# Altium PCB Main.PcbDoc (continued)
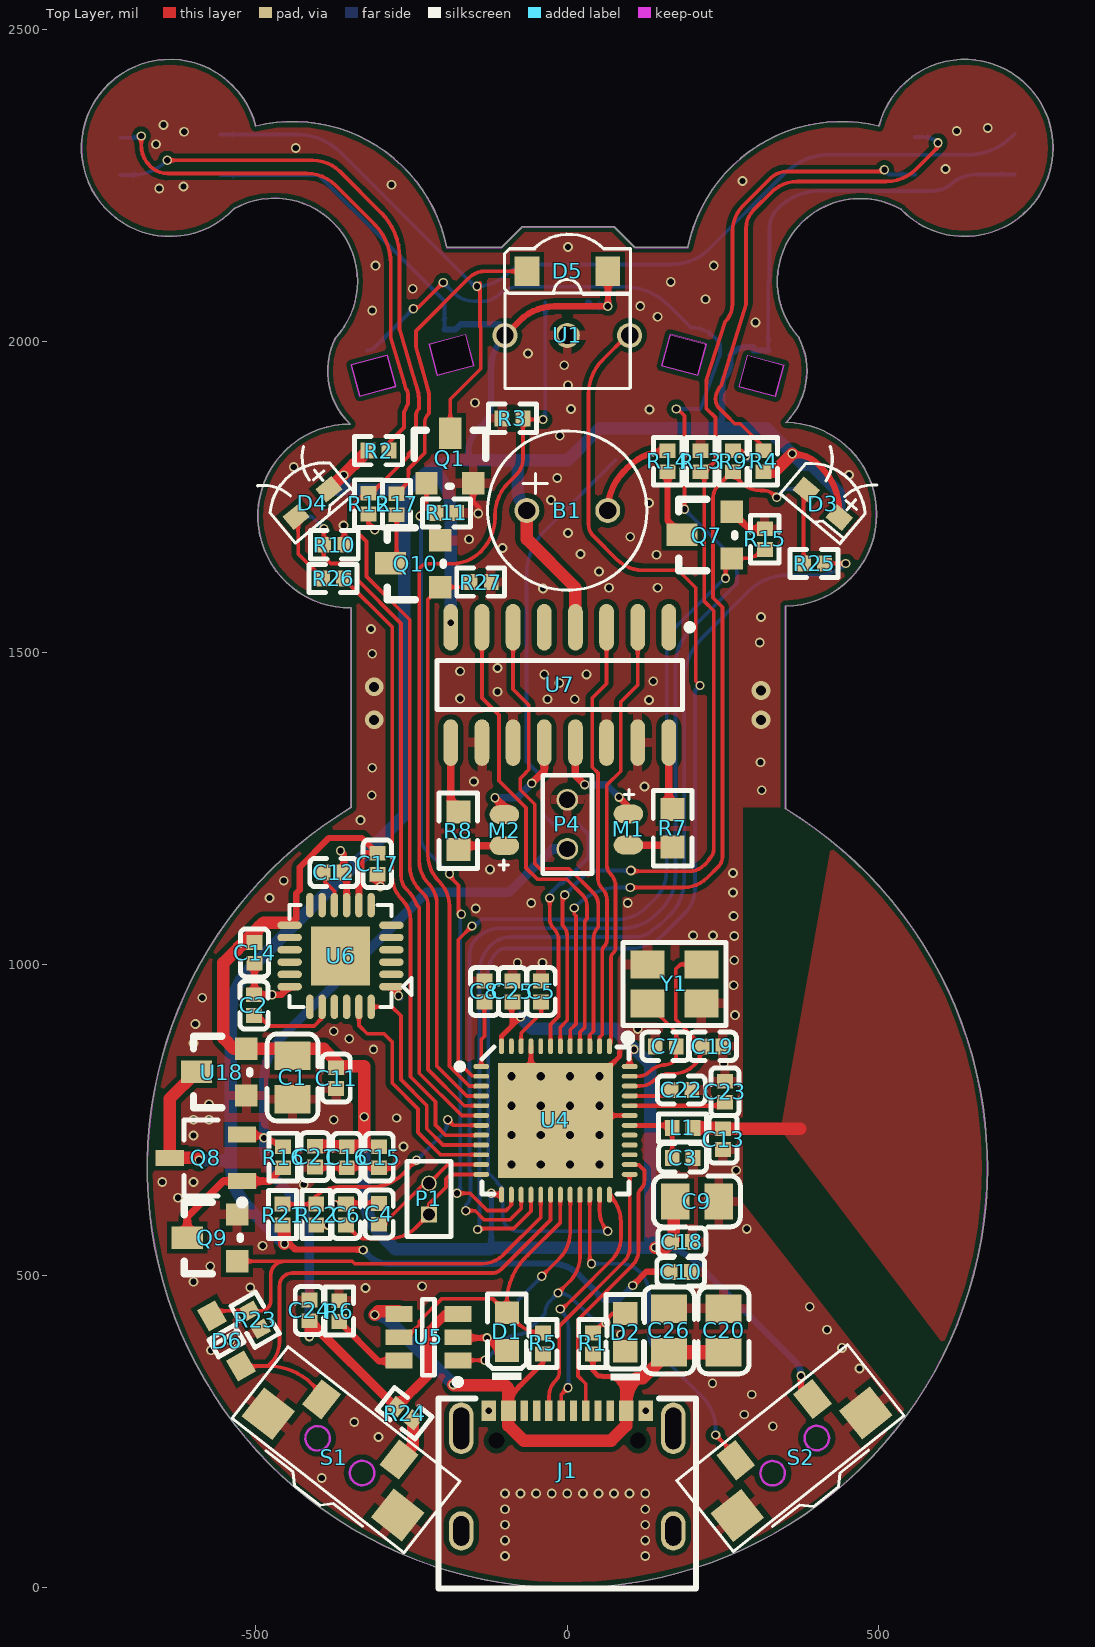
[diagram p0: Top Layer view]
## Part data
B1: "最小蜂鸣器6MM 6038 6035电磁式蜂鸣器 6*3.5 6*3.8MM 无源 交流"
C1 C9 C20 C26: library part "0805 22uF (226) 20% 25V", "贴片电容"
C2: library part "0402 2.2nF (222) 10% 50V", "贴片电容"
C3 C13: library part "0402 1pF (1R0) 0.25pF 50V", "贴片电容"
C4 C6: library part "0402 1nF (102) 10% 50V", "贴片电容"
C5 C10 C14 C15 C16 C17 C18 C24: library part "0402 1.0uF (105) 10% 25V", "贴片电容"
C7 C19: library part "0402 12pF (120) 5% 50V", "贴片电容"
C8 C12 C21 C25: library part "0402 100nF (104) 10% 16V", "贴片电容"
C11: library part "0402 4.7uF (475) 20% 10V", "贴片电容"
C22 C23: library part "0402 100pF (101) 5% 50V", "贴片电容"
D1: library part "0603 黄灯", "发光二极管"
D2: library part "0603 红灯", "发光二极管"
D3 D4: library part LED2, "Typical RED, GREEN, YELLOW, AMBER GaAs LED"
D5: library part LED2, "侧贴红外发射管"
D6: library part "SOD-323 1N4148WS T4", "二极管"
L1: library part "0402 3.9nH 3%", "贴片电感"
M1 M2 P1: "Header, 2-Pin"
P3 P6 P7 P8 P9 P10 P11 P12: library part Plug, "Plug"
P4: library part "Header 2", "2.0dip连接器"
Q1 Q7 Q8 Q9 Q10: "MOS(场效应管)"
Q4 Q5 Q6: library part "Photo NPN", "光线传感器"
R1 R5 R6: library part "0402 2KΩ (2001) 1%", "贴片电阻"
R2 R4 R17 R24: library part "0402 470Ω (4700) 1%", "贴片电阻"
R3 R9 R10 R12 R13: library part "0402 47KΩ (4702) 1%", "贴片电阻"
R7 R8: library part "0603 10Ω (10R0) 1%", "贴片电阻"
R11 R15 R21 R22 R23 R27: library part "0402 100KΩ (1003) 1%", "贴片电阻"
R14: library part "0402 10Ω (10R0) 1%", "贴片电阻"
R16: library part "0402 10KΩ (1002) 1%", "贴片电阻"
R25 R26: library part "0402 1KΩ (1001) 1%", "贴片电阻"
S1 S2: "3x6x3.5H 3*6*3.5贴片 侧位 按钮"
U1: library part RF, "1838 接收头 VS1838 VS1838B"
U2 U15: "全彩REG灯珠PCB附件"
U3 U9: library part Optoisolator1, "反射式光学传感器"
U4: "Multi-protocol Bluetooth Low Energy and 2.4GHz proprietary system-on-chip"
U5: "电池电源管理"
U6: library part MPU06050_QFN24, "三轴陀螺仪加速度"
U7: library part FM1208S
U8 U14: "WS2812全彩RGB灯珠"
U18: library part AP2121-3, "3V LDO"
Y1: library part "SMD-3225_4P  16MHZ 9PF 10PPM", "贴片晶振"

## Via types
v1: diameter 15.75, hole 10, Top Layer to Bottom Layer, 131 vias
v2: diameter 15, hole 10, Top Layer to Bottom Layer, 82 vias
v3: diameter 25.98, hole 12.99, Top Layer to Bottom Layer, 16 vias
v4: diameter 30, hole 16, Top Layer to Bottom Layer, 4 vias
v5: diameter 16, hole 10, Top Layer to Bottom Layer, 1 vias

## Nets (pads, with @x,y where several pads share a name; then routed paths per layer and width w, separated by ;. In a path a pad name is that pad's centre, name@x,y a point inside that pad or via, vN(x,y) a via of type N, cw(c..) or ccw(c..) an arc to the next point about the centre after c; other vN are vias at no path point)
3V7: C24.2 P4.1 Q8.2 R16.2 R24.2 U5.3 | length 1599.1
  Top Layer w10: Q8.2 -511.31,726.4 cw(c-511.31,652.42) R16.2@-459.03,704.77 ; U5.3@-163.88,437.4 U5.3@-163,438.28
  Top Layer w15: v2(-414,402) C24.2 -276.03,289.3 R24.2 -222.96,340.52 -222.96,409.46 -212.87,419.55 -212.87,420.22 -194.69,438.4 U5.3 ; U5.3@-175.72,437.4 U5.3@-163.88,437.4
  Bottom Layer w15: v2(-414,402) -414,560.69 ccw(c-511.31,560.69) -442.5,629.5 -461.54,648.54 cw(c-400.09,710) -487,710 v2(-487,721) -487,812.58 cw(c-387,812.58) -457.71,883.29 -226,1115 -94,1115 -24.12,1184.88 P4.1
5V: C20.2 C26.2 J1.A4 J1.B4 R1.2 R5.2 U5.4 | length 996.1
  Top Layer w8: -94.49,304.51 -39,360 R5.2 ; R1.2 41,347.8 49.9,338.9 cw(c49.9,307.04) 52.18,338.82 cw(c49.9,307.04) 57.43,338 74.98,338 94.49,318.49
  Top Layer w20: v2(-309,437) -303.16,442.84 U5.4@-270.21,442.84 ; v2(-183,325) -182,324 -100,324 -94.49,318.49 -94.49,304.51 J1.A4 -94.49,259.31 -70.18,235 70.18,235 94.49,259.31 J1.B4 94.49,318.49 111,335 121.04,335 C26.2
  Top Layer w24: C26.2 C20.2
  Bottom Layer w20: v2(-309,437) cw(c-309,403.2) -285.11,427.11 v2(-183,325)
+3V: C1.2 C9.2 C11.2 C14.2 C15.2 C16.2 C17.2 C18.2 C21.2 C25.2 S2.1 U4.13 U4.36 U4.48 U6.8 U6.13 U18.2 | length 2938.6
  Top Layer w8: v2(-122,632) -122.81,632 -124.91,629.91 U4.13 ; U4.48 -105.61,884.39 v2(-75,915) ; -89.12,904.88 -89.12,938.15 C25.2 ; U4.36 100.09,856.09 v2(107,863)
  Top Layer w10: U6.13 -435,1072.91 -435,1113.42 -429.5,1118.92 -429.5,1155.5 -382.5,1202.5 -329.77,1202.5 C17.2 -322.14,1177.73 -330.8,1169.08 -330.8,1126.48 -334.47,1122.8 U6.8 ; v2(375,339) 375,320.15 S2.1
  Top Layer w20: U6.13@-445.69,1066.43 -487.57,1066.43 -552.07,1001.93 -552.07,881.07 -535,864 U18.2 -390.92,864 -362.92,836 -326,836 v2(-326,755) -326,710.73 -323,707.73 C21.2 ; v2(141,545) 158.27,545 C18.2 170.92,557.65 170.92,616.96 C9.2
  Bottom Layer w8: -122,544 v2(-122,632) ; v2(107,863) v2@108,864
  Bottom Layer w10: 133.47,544.53 150.19,544.53 cw(c150.19,464.19) 206.99,521.01 365.1,362.9 cw(c341.2,339) v2(375,339)
  Bottom Layer w20: v2(-326,755) -326,633.42 ccw(c-226,633.42) -296.71,562.71 -276,542 -124,542 -122,544 -121.47,544.53 133.47,544.53 ; v2(-75,915) -75,914.54 -56.46,896 76,896 108,864 133.47,838.53 133.47,559.51
+3V3: B1.1 C10.1 D3.2 D4.2 D5.1 Q4.1 Q5.1 Q6.1 Q8.3 R2.1 R4.1 R21.2 U1.3 U2.1 U3.3 U7.4 U7.8 U8.1 U9.3 U14.1 U15.1 U18.3 | length 6001.9
  Top Layer w10: -454,559 -437,542 -328.84,542 v2(-327.79,540.96) ; U1.3 -76.41,2032.59 cw(c-20.96,1977.14) -20.96,2055.56 ; -20.96,2056 v2(65,2056) 65.24,2056.24 D5.1 ; v2(105,484) 127,506 C10.1 ; v2(361,1819) cw(c361,1758.64) 403.68,1801.32 407.1,1797.9 cw(c336.39,1727.19) 436.39,1727.19 D3.2
  Top Layer w20: U18.3 -638.07,783.93 Q8.3 -595,689 v2(-591,685) ; R21.2 -454,578.27 -454,559 v2(-454,551) ; D4.2 -342.49,1802.27 -341.46,1802.27 R2.1 ; B1.1 -64.96,1681.96 13,1604 U7.4@13,1538.52 ; R4.1 332.27,1790.27 v2(361,1819)
  Bottom Layer w6: U3.3 -399.5,2266.5 -197.09,2064.09 U2.1@-197.09,2022.06 ; U15.1@322.66,1990.51 322.66,2094.66 324.62,2096.62 324.62,2180.7 cw(c370.3,2180.7) 337.98,2212.98 ; 338.03,2213.03 cw(c405.65,2145.35) 405.65,2241.02 495.6,2241.02 586.03,2241 ccw(c586.03,2288.72) 614.25,2250.24 ccw(c586.03,2288.72) 619.78,2254.98 ; 620.13,2255.33 619.78,2254.98 ; U9.3 656.96,2267.5 ccw(c656.96,2206.04) 619.78,2254.98
  Bottom Layer w10: v2(-327.79,540.96) -319.16,532.32 ccw(c-287,564.48) -287,519 -114.47,519 -113.97,519.5 -26.37,519.5 cw(c-26.37,454.63) 19.5,500.5 58.76,461.24 U8.1 82.24,461.24 v2(105,484) ; U2.1 -179.61,2018.39 -171,2027 -109,2027 ; -159,1808.79 -159,1821.49 cw(c-109.49,1821.49) -144.5,1856.5 -136.5,1864.5 ccw(c-170.34,1898.34) -122.48,1898.34 -122.48,1954.72 ; -122.44,1956.38 ccw(c-86.76,1954.72) -122.48,1954.72 ; U1.3 ccw(c-45.72,1954.72) -122.48,1954.72 ; Q5.1 39.45,2056 v2(65,2056) ; 234,1860 248.64,1874.64 248.64,1926.13 cw(c293.71,1926.13) 250.63,1939.38 ccw(c223.57,1966.44) 260.57,1956.68 ccw(c223.57,1966.44) 261.84,1966.44 261.84,1977.35 265.1,1980.61 cw(c289,1956.72) 289,1990.51 U15.1@299,1990.51 ; U15.1@299,1984.75 U15.1
  Bottom Layer w20: v2(-591,685) -544,685 -540,689 ; v2(-454,551) -510.71,607.71 cw(c-440,678.42) -540,678.42 -540,689 ; Q4.1 -382.47,1761 -358,1761 ; v2(-359,1785) -358,1784 -358,1761 ; -212.19,1790.18 cw(c-275.77,1728.23) -187,1728.23 v2(-187,1548) ; B1.1 cw(c-29.52,1763.44) -79.51,1759.87 cw(c-29.52,1763.44) -79.64,1763.44 U14.1 ; Q6.1 436.39,1756.64 391.23,1801.8 378.2,1801.8 v2(361,1819) 320,1860 234,1860 52,1860 0.79,1808.79 U14.1 ; -540,689 -540,919.58 cw(c-440,919.58) -510.71,990.29 -261.5,1239.5 -261.5,1754.96 ; -358,1761 -264,1761 cw(c-270.04,1754.96) -261.5,1754.96 ; -261.5,1754.96 -236.96,1779.5 cw(c-166.25,1708.79) -166.25,1808.79 -159,1808.79 U14.1
AD0: R21.1 R22.2 U4.7 | length 376.5
  Top Layer w6: R21.1 R22.2 ; -404,626.73 cw(c-367.14,589.87) -403,627.71 cw(c-367.14,589.87) -367.14,642 -315,642 ccw(c-315,714.43) -263.79,663.21 v2(-242,685) ; v2(-192,750) -183.13,741.13 U4.7
  Bottom Layer w6: v2(-242,685) -202.61,724.39 ccw(c-228.21,750) v2(-192,750)
AD1: R12.2 U3.4 U4.5 | length 2049
  Top Layer w6: v2(-642,2290) -408.46,2290 cw(c-408.46,2228.54) -365.03,2272.03 ; -365,2272 -298.49,2205.49 cw(c-369.2,2134.78) -269.2,2134.78 -269.2,2018 -248,1946.63 -243.51,1931.51 -238.9,1916 -238.9,1910.47 ; -238,1910.47 -238,1891.8 ccw(c-225.94,1879.74) -243,1879.74 -243,1831 -255,1819 -255,1815.11 -307.11,1763 -310,1763 -317.27,1755.73 R12.2 -325.7,1755.73 -342.8,1738.64 -342.8,1698.8 -322.46,1678.46 -322.46,1622.05 -253,1552.6 -253,1159.04 ccw(c-194.96,1159.04) -236,1118 -230.26,1112.26 cw(c-245.62,1096.9) -223.9,1096.9 -223.62,1096.62 -223.62,830.71 -165.53,772.62 U4.5
  Bottom Layer w6: U3.4 -698.73,2266.5 ccw(c-698.73,2346.73) v2(-642,2290)
AD2: R13.2 U4.42 U9.4 | length 1889
  Top Layer w6: U4.42 -11.13,898.53 0,909.66 0,1044.21 ccw(c-26.05,1044.21) -7.62,1062.62 ; -7.63,1062.63 -7.63,1107.37 v2(-4,1111) ; v5(102,1150) 103,1149 195.81,1149 ccw(c195.81,1183.26) 220.04,1159.04 222.27,1161.27 ccw(c191.54,1192) 229.5,1170.84 ccw(c216.22,1184.12) 235,1184.12 235,1567 220,1582 220,1789.57 237.8,1807.36 237.8,1877.2 223.13,1891.87 223.13,1931.34 223.29,1931.51 223.29,1936.91 253.61,2031.48 ccw(c226.12,2058.97) 265,2058.97 265,2175.96 cw(c323.04,2175.96) 281.97,2216.97 ; 282,2217 326.5,2261.5 cw(c351.85,2236.15) 351.85,2272 506,2272 v2(509,2275)
  Bottom Layer w6: v2(-4,1111) 23,1138 cw(c51.97,1109.03) 51.97,1150 v5(102,1150) ; v2(509,2275) 516.5,2267.5 U9.4
AD3: Q5.2 R3.2 U4.4 | length 1460.3
  Top Layer w6: -139.08,1661.92 cw(c-186,1708.89) -186,1642.5 -222.72,1642.5 ccw(c-222.72,1623.72) -236,1637 ccw(c-231.66,1632.66) -237.8,1632.66 -237.8,1165.93 ccw(c-185.07,1165.93) -222.36,1128.64 cw(c-253.1,1097.9) -210.06,1104.06 cw(c-253.1,1097.9) -209.62,1097.9 -209.62,836.51 -161.48,788.37 U4.4 ; -139.05,1661.95 -138.63,1662.37 ccw(c-193.26,1717) -138.55,1662.45 ccw(c-193.26,1717) -116,1717 -116,1721 cw(c-43.57,1721) -114.78,1734.22 cw(c-43.57,1721) -94.79,1772.21 -82,1785 ccw(c-107.91,1810.91) -71.27,1810.91 R3.2 -69.27,1874 v2(-39,1874)
  Bottom Layer w6: v2(-39,1874) -35.45,1877.55 Q5.2
AD4: Q6.2 R9.2 U4.41 | length 1274.2
  Top Layer w6: U4.41 4.62,894.48 14,903.86 14,1077 11,1080 v2(11,1090) ; v2(101,1123) 187,1123 ccw(c187,1176.11) 200.56,1124.76 ccw(c187,1176.11) 224.56,1138.56 242.63,1156.63 ccw(c227.25,1172.01) 249,1172.01 249,1572.8 234,1587.8 234,1747.98 cw(c263.02,1747.98) 242.49,1768.49 264.27,1790.27 R9.2 266,1786 279,1773 ; 279.03,1772.97 ccw(c310.38,1804.38) 310.38,1760 315,1760 cw(c315,1735.86) 332.07,1752.93 v2(336,1749)
  Bottom Layer w6: v2(11,1090) 14.5,1093.5 16.42,1095.42 cw(c83,1028.85) 83,1123 v2(101,1123) ; v2(336,1749) 349.14,1762.14 Q6.2
AD5: Q4.2 R10.2 U4.6 | length 1137.1
  Top Layer w6: v2(-390.73,1698.73) R10.2 -390.73,1653.73 -379.8,1642.8 -342.9,1642.8 -336.46,1636.35 -336.46,1616.26 -267,1546.8 -267,1141.73 ccw(c-236.27,1141.73) -258,1120 -257.86,1119.86 cw(c-306.72,1071) -242,1095.2 -237.62,1090.82 -237.62,824.91 -169.58,756.87 U4.6
  Bottom Layer w6: Q4.2 -409.86,1717.86 v2(-390.73,1698.73)
ANT: C13.2 L1.2 | length 172.6
  Top Layer w19.68: L1.2 246.94,737 cw(c246.94,732.67) C13.2 374,735.73
BEEP: Q7.1 R15.2 U4.2 | length 1234.2
  Top Layer w6: v2(-152.87,1061.21) -175.2,1038.87 -175.2,842.74 -153.14,820.68 -138.91,820.68 U4.2 ; v2(254,1619) 254,1641 Q7.1 282.56,1651 ccw(c282.56,1699.71) R15.2
  Bottom Layer w6: v2(-152.87,1061.21) -148.1,1061.21 -137.2,1072.11 -17.61,1072.11 -17,1071.5 79.56,1071.5 ccw(c79.56,1139.44) 82.74,1071.57 ccw(c79.56,1139.44) 127.59,1091.39 140.38,1104.18 ccw(c94.22,1150.34) 159.5,1150.34 159.5,1500.34 cw(c222.66,1500.34) 178,1545 253,1620 v2(254,1619)
DEC1: C8.2 U4.1 | length 105.8
  Top Layer w6: U4.1 -138.09,878.91 -133,884 C8.2
DEC2: C23.1 U4.32 | length 155.2
  Top Layer w7: U4.32 247.35,772.62 C23.1
DEC3: C22.1 U4.33 | length 62.8
  Top Layer w6: U4.33 C22.1@162.9,788.37
DEC4: C5.2 U4.46 | length 84.5
  Top Layer w6: U4.46 -74.12,888.88 -42,921 C5.2
DISOFF: Q8.1 Q9.3 R16.1 | length 216
  Top Layer w12: Q9.3 -610,594 -552.4,651.6 Q8.1 -478.67,651.6 R16.1@-459,671.27
EYE1: R26.1 U4.8 | length 1015.6
  Top Layer w6: R26.1@-360.27,1619 -359,1619 -281,1541 -281,1141.92 ccw(c-225.65,1141.92) -264.79,1102.79 cw(c-296.58,1071) -255.22,1088.62 cw(c-296.58,1071) -251.62,1071 -251.62,819.11 -211.46,778.95 -211.46,741.46 -195.38,725.38 U4.8
EYE2: R25.1 U4.16 | length 1655.5
  Top Layer w6: v2(-144,574) cw(c-140.27,570.27) -140.27,575.54 -89,575.54 -88.83,575.72 -85.98,575.72 -58.37,603.32 U4.16 ; R25.1 v2(447,1643)
  Bottom Layer w6: v2(-144,574) -144,576 ccw(c-151.24,583.24) -141,583.24 -141,986.54 cw(c-79.54,986.54) -123,1030 cw(c-90.41,997.41) -90.41,1043.5 109.85,1043.5 ccw(c109.85,1081.6) 136.79,1054.66 ccw(c93,1128.93) 153.96,1067.96 164.52,1078.52 ccw(c109.04,1134) 187.5,1134 187.5,1453.28 cw(c287.5,1453.28) 216.79,1523.99 291.37,1598.57 cw(c353,1536.95) 353,1624.1 401.37,1624.1 ccw(c401.37,1688.63) v2(447,1643)
GND: C1.1 C2.2 C3.1 C4.2 C5.1 C6.1 C7.2 C8.1 C9.1 C10.2 C11.1 C12.1 C13.1 C14.1 C15.1 C16.1 C17.1 C18.1 C19.2 C20.1 C21.1 C22.2 C23.2 C24.1 C25.1 C26.1 D1.K D2.K J1.A1 J1.B1 P3.1 P4.2 P6.1 P7.1 P8.1 P9.1 P10.1 P11.1 P12.1 Q1.2 Q7.2 Q9.2 Q10.2 R3.1 R6.2 R9.1 R10.1 R11.1 R12.1 R13.1 R15.1 R22.1 R23.1 R27.1 S1.3 S1.4 S2.3 S2.4 U1.2 U2.3 U4.31 U4.45 U4.49 U5.2 U6.1 U6.9 U6.18 U7.10 U7.11 U7.14 U7.15 U8.3 U14.3 U15.3 U18.1 Y1.2 Y1.4 | length 1190.3
  Top Layer w7: U4.49@-11.13,756.87 U4.31
  Top Layer w8: v1(-359,1704) -357.8,1702.8 -357.8,1673.53 R10.1 ; R12.1 -319,1707 v2(-309,1697) ; Q1.2 -151,1742 -142,1733 ; U4.49@-58.37,826 U4.45 ; U4.49 -11.13,756.87 v3(51.87,819.87) 84,852 84,859 ; R9.1 279.06,1823.73 v2(286.7,1816.09)
  Top Layer w10: C14.1 -502,951.73 C2.2 v2(-474,950.73) -458.75,950.73 U6.18 ; v2@-424,645 v2(-423,646) ; C21.1 -303,674.27 C15.1 -281.73,673.27 -273,682 ; R22.1 -383.27,581.27 -383.54,581 v2(-384,581) ; v2@-376,892 v2(-375,892) ; v2(-374,614) -376.2,614 -375.47,614.73 C6.1 -303,614.73 C4.2 ; v2(-364,1182) -358.27,1176.27 C12.1@-358.27,1152 ; C12.1 C12.1@-358.27,1152 ; C12.1@-355.27,1147 -354.16,1145.89 U6.9 ; C12.1@-353.27,1147 C12.1@-358.27,1152 ; v2(-350,880) v2@-349,880 ; C17.1 -305,1133 -298,1126 v2(-300,1124) ; U6.1 -271,952.48 v2(-271,949) ; U5.2@-163.88,400 v2(-129,400) -108.69,379.69 D1.K ; U4.49@-58.37,826 -58.37,788.37 v3(-42.62,772.62) U4.49 ; v2@85.5,406.99 86,406.49 v2(86,405) ; Q7.2 291.27,1698.73 R15.1
  Bottom Layer w8: v2(286.7,1816.09) 290,1812.79 v2@290,1810
  Bottom Layer w10: v2@-474,949 v2(-474,950.73) ; v2(-423,646) v2@-418,646 ; v2(-384,581) v2@-382,581 ; v2@-379,614 v2(-374,614) ; v2@-365,1182 v2(-364,1182) ; v2(-300,1124) v2@-298,1124 ; v2(-271,949) v2@-267.62,945.62 ; v2(-80,1002) v2@-79,1002
  other v1: -100,50 125,50 -100,75 125,75 -100,100 125,100 -100,125 125,125 -100,150 -75,150 -50,150 -25,150 0,150 25,150 50,150 75,150 100,150 125,150 -394,175 -303,241 -342,265 469,351 -572,380 441,384 -541,396 417,413 389,450 -324,480 -509,481 -233,483 -600,490 -573,515 -489,548 288,575 -625,625 -650,650 -600,650 271,669 -263,707 -600,725 -600,750 -575,750 -375,750 -575,775 251,840 -600,873 113,896 -597,904 269,918 -586,946 267,966 -40,1002 268,1006 268,1045 202,1046 234,1046 267,1077 -147,1089 -58,1098 97,1098 -478,1106 266,1115 266,1146 -124,1152 -332,1231 -314,1271 312,1279 124,1285 -150,1293 -313,1315 310,1324 131,1424 -32,1425 12,1425 -172,1426 -112,1437 -13,1451 138,1454 -37,1465 31,1465 -172,1470 -112,1475 -313,1498 309,1516 -315,1538 311,1557 -39,1603 67,1604 145,1604 51,1630 143,1657 21,1658 -104,1668 -158,1682 101,1686 1,1692 -143,1723 131,1740 -26,1745 -16,1780 452,1785 -439,1798 -12,1848 132,1890 6,1891 -148,1901 1,1929 -5,1961 -63,1980 302,2030 145,2039 -313,2049 117,2056 222,2067 -248,2084 166,2095 -308,2121 235,2121 1,2151 -655,2245 -616,2248 -282,2251 281,2257 607,2276 -436,2310 -660,2316 -615,2336 625,2337 675,2342 -648,2347
  other v2: 330,258 284,277 -125.98,283 125.98,283 296,309 233,327 -274,753 -311,863 -455,1134
  other v3: -89.87,678.13 -42.62,678.13 4.62,678.13 51.87,678.13 -89.87,725.38 -42.62,725.38 4.62,725.38 51.87,725.38 -89.87,772.62 4.62,772.62 51.87,772.62 -89.87,819.87 -42.62,819.87 4.62,819.87
  other v4: -310,1392 311,1392 311,1439 -310,1445
IR: Q10.1 R27.2 U4.3 | length 909.7
  Top Layer w6: Q10.1@-204,1601 -208,1601 -223.8,1585.2 -223.8,1175.97 ccw(c-163.03,1175.97) -206,1133 cw(c-246.55,1092.45) -189.2,1092.45 -189.2,835.89 -157.43,804.12 U4.3 ; Q10.1 -170.65,1605 ccw(c-170.65,1627.65) R27.2@-154.64,1611.62 ; R27.2@-154.63,1611.63 R27.2@-148,1618.27
LEDB: Q1.1 R11.2 U4.14 | length 1318.8
  Top Layer w6: v2(-236,1719) -236,1724.27 -226,1734.27 ; Q1.1 -226,1734.27 ; R11.2@-211.73,1720 -226,1734.27 ; v2@-193.03,1145 -174.59,1126.56 -174.59,1084.59 v2(-170,1080) ; v2(-177,632) -156.04,632 -128.54,604.5 -98.21,604.5 -89.87,612.84 U4.14
  Bottom Layer w6: v2(-236,1719) -235,1718 -235,1204.44 ccw(c-202.56,1204.44) -225.52,1181.52 v2(-189,1145) ; v2(-177,632) -176,631 -172,631 -172,1079 -171,1080 v2(-170,1080)
NetB1_2: B1.2 R14.2 | length 149.6
  Top Layer w10: B1.2 cw(c154.19,1728) 91.1,1791.1 97.38,1797.38 cw(c161,1733.76) R14.2
NetC2_1: C2.1 U6.20 | length 139.6
  Top Layer w6: C2.1 -495.27,917.27 -478.62,900.62 -406.21,900.62 -393.53,913.3 U6.20
NetC3_2: C3.2 L1.1 U4.30 | length 117.9
  Top Layer w6: C3.2 L1.1
  Top Layer w8: U4.30 164.14,741.13 L1.1
NetC12_2: C12.2 U6.10 | length 58.5
  Top Layer w6: C12.2@-388.73,1147 -388.73,1131.73 -373.84,1116.84 U6.10
NetD3_2: D3.1 R25.2 | length 119.9
  Top Layer w6: R25.2 379.27,1756.8 D3.1
NetD4_2: D4.1 R26.2 | length 116.5
  Top Layer w6: D4.1 -431.73,1714.2 -431.73,1658 R26.2
NetD5_2: D5.2 R17.2 | length 501.6
  Top Layer w6: R17.2 -255.2,1773.53 -255.2,1786 -255,1786.2 -255,1794.56 -239.06,1810.5 -238.5,1810.5 -229,1820 -229,1867 cw(c-204.88,1867) -221.94,1884.05 -221.94,1915.74 -230.61,1946.92 -233.32,1956.64 -242.96,1991.29 -242.96,2016.21 -157.58,2101.58 ; -157.57,2101.59 cw(c-132.29,2076.29) -132.29,2112.06 D5.2
NetM1_1: M1.1 R7.2 | length 72.4
  Top Layer w12: M1.1 165.68,1191 R7.2
NetM1_2: M1.2 U7.13 | length 168.2
  Top Layer w10: v2(83,1268) 98,1253 M1.2
  Top Layer w12: U7.13@13,1353.48 13,1303 v2(28,1288)
  Bottom Layer w10: 63,1288 v2(83,1268)
  Bottom Layer w12: v2(28,1288) 63,1288
NetM2_1: M2.1 U7.12 | length 173.5
  Top Layer w12: v2(-116,1267) -101,1252 M2.1 ; v2(-57,1290) -37,1310 U7.12@-37,1353.48
  Bottom Layer w12: v2(-116,1267) -80,1267 v2(-57,1290)
NetM2_2: M2.2 R8.2 | length 76.6
  Top Layer w10: R8.2 R8.2@-166,1183.68
  Top Layer w12: R8.2@-166,1183.68 -159.68,1190 M2.2
NetQ1_3: Q1.3 U3.1 U9.1 | length 1728
  Top Layer w6: Q1.3 -188,1906.71 -139.08,1955.62 -139.08,2022.17 -140,2023.09 -140,2093 v2(-145,2088)
  Bottom Layer w6: U3.1 -434.02,2331.5 cw(c-434.02,2231.5) -410.12,2328.6 cw(c-434.02,2231.5) -363.31,2302.21 -149.1,2088 v2(-145,2088) ccw(c-145,2158.01) -95.51,2108.49 cw(c-60.5,2073.51) -60.5,2123 167.64,2123 ccw(c167.64,2208.36) 227.96,2147.96 ccw(c167.64,2208.36) 228,2148 345.5,2265.5 349.71,2269.71 cw(c420.42,2199) 420.42,2299 643.08,2299 ccw(c643.08,2399) U9.1@713.79,2328.29 ; U9.1@711.02,2325.52 U9.1@713.79,2328.29 ; U9.1 U9.1@713.79,2328.29
NetQ7_3: Q7.3 R14.1 | length 110.8
  Top Layer w10: R14.1 161,1712 Q7.3
NetQ10_3: Q10.3 R17.1 | length 82.4
  Top Layer w6: Q10.3 -274,1653 R17.1
NetR2_2: R2.2 U3.2 | length 866.6
  Top Layer w6: v2(-684,2329) -684,2314.8 ccw(c-636.2,2314.8) -670,2281 ccw(c-641.03,2309.97) -641.03,2269 -418.58,2269 cw(c-418.58,2202.42) -371.5,2249.5 -310,2188 ; -309.97,2187.97 cw(c-374.69,2123.31) -283.2,2123.31 -283.2,2005.41 -262,1933.38 -259,1923.19 cw(c-266.62,1915.57) -255.84,1915.57 -255.84,1899 -262,1886 -262,1861.24 -286.27,1836.98 R2.2
  Bottom Layer w6: U3.2 -686.5,2326.5 v2(-684,2329)
NetR4_2: R4.2 U9.2 | length 816
  Top Layer w6: R4.2 315,1830 277.6,1867.4 268.6,1867.4 254,1882 244.22,1891.78 cw(c259.24,1906.8) 243,1893.11 cw(c259.24,1906.8) 238.71,1901.34 cw(c259.24,1906.8) 238,1906.8 cw(c268.56,1906.8) 246.95,1928.41 257,1961.43 259.44,1969.44 287,2060 287,2181.23 cw(c327.97,2181.23) 299,2210.2 327.4,2238.6 cw(c369.41,2196.59) 369.41,2256 511.72,2256 ccw(c511.72,2324.28) 560,2276 598.5,2314.5 v2(595,2318)
  Bottom Layer w6: U9.2 572.06,2327.5 cw(c572.06,2295.06) v2(595,2318)
NetR6_1: R6.1 U5.6 | length 118.3
  Top Layer w10: R6.1 -302.33,362.6 U5.6@-274.12,362.6
NetR7_1: R7.1 U7.16 | length 107.7
  Top Layer w12: U7.16@163,1353.48 163,1254.31 R7.1
NetR8_1: R8.1 U7.9 | length 114.1
  Top Layer w12: U7.9@-187,1353.48 -187,1256.31 R8.1
NetR24_1: R24.1 S1.1 | length 73.6
  Top Layer w19.68: S1.1 -247.81,226.82 R24.1
P0.07: U4.9 U6.24 | length 350.4
  Top Layer w6: U6.24 -281.31,931.31 -267,917 -267,814.69 -225.46,773.15 -225.46,735.66 -199.43,709.63 U4.9
P0.08: U4.10 U6.23 | length 372.9
  Top Layer w6: U6.23 -334.47,901.47 -321,888 -294,888 -281,875 -281,808.89 -239.46,767.35 -239.46,729.86 -203.48,693.88 U4.10
P0.09/NFC1: C4.1 P1.2 U4.11 | length 203.6
  Top Layer w6: C4.1 -295.3,582.27 -229.57,648 P1.2 -191.87,678.13 U4.11
P0.10/NFC2: C6.2 P1.1 U4.12 | length 282.8
  Top Layer w6: C6.2 -338.27,564.54 ccw(c-326,576.81) -326,559.46 -286.77,559.46 ccw(c-286.77,622.77) -242.03,577.97 ; -242,578 P1.1 -222,614.77 -194.88,641.88 -194.88,655.32 -187.82,662.39 U4.12
P0.12: U2.4 U4.15 U15.4 | length 2571.6
  Top Layer w6: v2(-247,2052) ccw(c-247,2066.49) -236.77,2056.23 v2(-199,2094) ; v2(-163,604) -147.84,604 -133.55,589.72 -91.78,589.72 -74.12,607.38 U4.15 ; v2(175,1891) 177,1891 188,1880 v2(188,1730)
  Bottom Layer w6: U2.4 ccw(c-321.69,2003.58) -308.55,1990.45 v2(-247,2052) ; v2(-199,2094) -182.5,2077.5 ccw(c-149.91,2110.09) -149.91,2064 -134.34,2064 ccw(c-134.34,2098.14) -110.2,2074 cw(c-78.82,2042.62) -78.82,2087 91.44,2087 cw(c91.44,1987) 144.29,2071.9 cw(c91.44,1987) 162.15,2057.71 198.05,2021.81 cw(c198.05,1967.63) 236.36,2005.94 241,2001.31 cw(c231.34,1991.65) 245,1991.65 245,1977.58 220.63,1910 213.92,1891.39 213.53,1891 v2(175,1891) ; v2(-163,604) -163,613 -162,614 ccw(c-177.69,629.69) -155.5,629.69 -155.5,667.5 -157,669 -157,1014.44 cw(c-119.44,1014.44) -146,1041 cw(c-106.17,1001.17) -106.17,1057.5 88.46,1057.5 ccw(c88.46,1134.85) 143.15,1080.15 151.05,1088.05 ccw(c96.85,1142.25) 173.5,1142.25 173.5,1479.1 cw(c253.73,1479.1) 196.98,1535.81 ; v2(188,1730) 258.71,1659.29 ; 197,1535.84 272.5,1611.34 272.5,1626 ccw(c225.42,1626) 258.73,1659.27
P0.14: D6.2 Q9.1 R23.2 U4.17 | length 737.2
  Top Layer w6: D6.2 -561.97,443.49 R23.2 -492.23,443.49 ccw(c-492.23,459.72) -480.75,448.25 ccw(c-492.23,459.72) -476,459.72 -476,500.81 cw(c-453.81,500.81) -469.5,516.5 cw(c-453.81,500.81) -453.81,523 ; Q9.1 -453.81,523 ; U4.17 -42.62,593.38 -103,533 cw(c-136.8,566.8) -136.8,519 -341.2,519 -345.2,523 -453.81,523
P0.15: D6.1 S1.2 U4.18 | length 808.4
  Top Layer w6: D6.1 -480.19,354.77 ; S1.2 -394.33,310.33 -409.48,325.48 ccw(c-480.19,254.77) -480.19,354.77 ; U4.18 -26.87,589.33 -105.6,510.6 cw(c-121.54,526.54) -121.54,504 -441.51,504 ccw(c-441.51,483.51) -456,498 ccw(c-441.51,483.51) -462,483.51 -462,394.17 cw(c-513.21,394.17) -476.99,357.96 -480.19,354.77
P0.16: D1.A R5.1 U4.19 U5.5 | length 518.1
  Top Layer w6: U5.5@-274.12,400 U5.5@-270.21,400 ; U5.5 -257.61,401 -237.55,421.05 -237.55,426.57 -201.13,463 -119.68,463 D1.A ; -63.37,533.03 -11.13,585.28 U4.19 ; -63.25,532.91 -67.71,528.45 ccw(c3,457.74) -70,526.09 ccw(c3,457.74) -97,457.74 D1.A ; R5.1 cw(c-39,469.09) R5.1@-50.03,408.73 ; R5.1@-37,408.73 R5.1@-50.03,408.73 ; D1.A -82.39,425.7 ccw(c-39,469.09) R5.1@-50.03,408.73
P0.17: U4.20 U8.4 | length 201.2
  Top Layer w6: v2(-41,499) -13,527 ccw(c-55.54,569.54) 4.62,569.54 U4.20
  Bottom Layer w6: U8.4 -40.77,498.77 v2(-41,499)
P0.18: D2.A R1.1 U4.21 U5.1 | length 527
  Top Layer w6: U5.1@-163.88,362.6 -162.48,364 v2(-132,364) ; v2(-15,472) 4,491 ccw(c-35.52,530.52) 20.37,530.52 U4.21 ; R1.1 72.58,439.32 D2.A
  Bottom Layer w6: v2(-132,364) -98.07,397.93 cw(c-81,380.86) -81,405 ccw(c-81,432.09) -61.86,412.92 ; -61.84,412.93 -47.78,427 -35.89,438.89 cw(c-6.38,438.89) -30,456.58 cw(c-6.38,438.89) -27.25,459.75 v2(-15,472) cw(c-15,438.2) -9.56,471.56 cw(c-15,438.2) 8.9,462.1 36.39,434.61 ccw(c62,460.21) v2(62,424)
P0.19: S2.2 U4.22 | length 552.6
  Top Layer w6: U4.22 36.12,521.78 v2(38.87,519.03) ; v2(238,244) 270.29,211.71 S2.2
  Bottom Layer w6: v2(38.87,519.03) 85.59,519.03 cw(c85.59,476.1) 115.94,506.46 cw(c79.59,470.11) 131,470.11 131,405.14 ccw(c165.14,405.14) 140.98,381.02 217.5,304.5 cw(c168.01,255.01) 238,255.01 v2(238,244)
P0.20: U1.1 U4.23 | length 2084.7
  Top Layer w6: U4.23 51.87,602.71 ccw(c96.71,602.71) v2(65,571) ; 79.5,1649.5 42,1687 cw(c61.41,1706.41) 33.96,1706.41 33.96,1914.38 cw(c112.62,1914.38) 57,1970 96,2009 U1.1 ; 79.53,1649.47 ccw(c121.75,1691.75) 121.75,1632 178,1632 206,1604 206,1454 v2(213,1447)
  Bottom Layer w6: -126.78,675.03 ccw(c-144.5,657.75) -127,675.25 ; v2(65,571) -77.69,571 cw(c-77.69,598.31) -97,579 cw(c-81.31,594.69) -103.5,594.69 -103.5,639.66 -112.5,648.66 -112.5,650.5 -127,665 -127,675.25 ; 188.93,1082 154.5,1047.58 cw(c100,1102.08) 100,1025 -98.55,1025 ccw(c-98.55,1004.51) -113.04,1019 ccw(c-79.33,985.29) -122.53,1005.44 ccw(c-79.33,985.29) -123.3,1003.69 ccw(c-79.33,985.29) -127,985.29 -127,675.25 ; 188.95,1082.03 ccw(c150.12,1120.8) 205,1120.8 205,1439 v2(213,1447)
P0.21: J1.A6 U4.24 | length 400.5
  Top Layer w6: v2(-11.5,446.46) ccw(c-11.5,456.03) -4.74,449.26 15,469 71.5,525.5 ; J1.A6 -9.84,309.16 v2(1,320) ; U4.24 cw(c23,585.29) 86.09,585.29 86.09,560.73 cw(c36.27,560.73) 71.53,525.53
  Bottom Layer w6: v2(-11.5,446.46) cw(c-44.09,413.87) -0.86,429.86 cw(c-44.09,413.87) 2,413.87 2,321 v2(1,320)
P0.22: U4.27
P0.23: U4.28
P0.24: U4.29
P0.25: U4.37 U7.2 | length 697.4
  Top Layer w6: U4.37 ccw(c61.85,873.85) 70,873.85 70,1008.34 cw(c83.66,1008.34) 74,1018 ccw(c65.45,1026.55) 77.54,1026.55 77.54,1125.37 ccw(c51.37,1125.37) 69.88,1143.88 cw(c85.57,1159.57) 63.38,1159.57 63.38,1287.2 85.81,1309.63 85.81,1420.81 113,1448 U7.2@113,1538.52
P0.26: U4.38 U7.3 | length 691.2
  Top Layer w6: U4.38 51.87,882.33 56,886.46 56,1020.76 cw(c66.24,1020.76) 59,1028 ccw(c48.03,1038.97) 63.54,1038.97 63.54,1102.29 ccw(c35.67,1102.29) 55.4,1121.98 cw(c69.93,1136.51) 49.38,1136.51 49.38,1306.62 40.19,1315.81 40.19,1427 63,1449.81 U7.3@63,1538.52
P0.27: U4.39 U7.6 | length 767.3
  Top Layer w6: U7.6@-87,1538.52 -87,1441 -62,1416 -62,1312 -66.6,1307.4 -66.6,1306.56 -75.5,1297.66 -75.5,1279.69 -52.38,1256.57 -52.38,1161.38 -41,1150 ; -38,1153 3,1153 42,1114 cw(c23.79,1095.79) 49.54,1095.79 49.54,1059 ccw(c67.75,1040.79) 42,1040.79 42,892.26 36.12,886.38 U4.39
P0.28: U4.40 U7.7 | length 770.9
  Top Layer w6: U7.7@-137,1538.52 -137,1427 -109.81,1399.81 -109.81,1294.2 -66.38,1250.77 -66.38,1154.38 -48,1136 -1,1136 25,1110 cw(c9.2,1094.2) 31.54,1094.2 31.54,1073 ccw(c40.1,1064.45) 28,1064.45 28,898.06 20.54,890.6 20.54,868.27 U4.40
P0.31: U4.43 U14.4 | length 1098
  Top Layer w6: v2(-28,1106) -28,1072.21 ccw(c-6.25,1072.21) -21.63,1056.83 ; U4.43 -26.87,903.13 -14,916 -14,1038.41 ccw(c-40.05,1038.41) -21.62,1056.82
  Bottom Layer w6: v2(-28,1106) -28,1113.16 -11.66,1129.5 -7.5,1129.5 34,1171 34,1208 17,1225 -23,1225 -38.5,1240.5 -38.5,1297.66 -47.06,1306.22 -47.06,1306.5 -65.56,1325 -65.56,1624.72 cw(c34.44,1624.72) -36.27,1695.43 U14.4
SWCLK: J1.B7 U4.25 | length 430.3
  Top Layer w6: J1.B7 -29.53,305.58 cw(c6.42,305.58) -19,331 ccw(c-33.98,345.98) -12.8,345.98 -12.8,396.93 -13,397.13 -13,420 -11.8,420 92.1,523.9 ccw(c72.8,543.2) 100.09,543.2 U4.25
SWDIO: J1.B6 U4.26 | length 459.8
  Top Layer w6: J1.B6 29.53,326.47 17.2,338.8 17.2,429.2 105,517 ccw(c83.04,538.96) 114.09,538.96 114.09,629.34 cw(c127.75,629.34) 118.09,639 ccw(c104.1,652.99) 123.89,652.99 123.89,668.57 115.14,677.32 100.91,677.32 U4.26
XC1: C19.1 U4.34 Y1.3 | length 332.2
  Top Layer w6: U4.34 116.14,804.12 ccw(c116.14,837.87) 139.94,813.94 ccw(c116.14,837.87) 140,814 cw(c164.12,789.91) 164.12,824 170.58,824 ccw(c170.58,870.87) 203.68,837.68 ccw(c170.58,870.87) 203.73,837.73 ccw(c173.46,868) C19.1 216.27,868.73 174,911 174,992 181.5,999.5 Y1.3
XC2: C7.1 U4.35 Y1.1 | length 190.2
  Top Layer w6: U4.35 113.85,819.87 ccw(c113.85,846.15) 132.43,827.57 cw(c158.29,801.71) 138.93,832.73 cw(c158.29,801.71) 153.82,838 154.45,838 ccw(c154.45,864.8) 158.27,838.27 ccw(c154.45,864.8) 173.4,845.85 ccw(c153.58,853.23) 174.73,853.23 C7.1 174.73,890.46 Y1.1
pads on no net: J1.0 J1.A5 J1.A7 J1.A8 J1.B5 J1.B8 J1.GND U2.2 U4.44 U4.47 U6.2 U6.3 U6.4 U6.5 U6.6 U6.7 U6.11 U6.12 U6.14 U6.15 U6.16 U6.17 U6.19 U6.21 U6.22 U6.25 U7.1 U7.5 U8.2 U14.2 U15.2

## Polygon pours and split planes (outlines as drawn)
GND on Top Layer "Top Layer-No Net 1" (solid, remove dead copper, pour order 14): 552,271 249,-109 -728,57 -811,985 -855.38,2900.62 914,2381 372.49,1251.49 282,1251.49 282,617
ANT on Top Layer "Top Layer-No Net 1" (solid, remove dead copper, pour order 12): 426.51,1206 342.64,734.03 685.64,282.03 785.38,420.03 965.55,600.19 685.64,1206
GND on Bottom Layer "Top Layer-No Net 1" (solid, remove dead copper, pour order 16): 546.68,277.95 248,-109 -729,57 -812,985 -856.38,2900.62 913,2381 371.49,1251.49 281,1251.49 281,619

## Keep-outs
Keep-Out Layer:
  lines w0.79: -670.56,741.78 cw(c0,673.09) -346.82,1251.09 ; -662.43,797.72 ccw(c0,673) 669.49,751.41 ; -535.25,2212.45 cw(c-470.03,2095.62) -371.92,2004.62 ; -535.11,2212.31 cw(c-637.8,2310) -500.37,2344.66 cw(c-440.11,2100.68) -193.71,2150.05 ; -371.93,2004.62 ccw(c-266.1,1951.7) -348.21,1866.52 ; -348.49,1866.23 ccw(c-349.44,1719.23) -346.41,1572.26 -346.41,1251.42 ; -193.95,2150 -105,2150 -72,2183 75,2183 108,2150 193.95,2150 ; 193.71,2150.05 cw(c440.12,2100.68) 500.37,2344.66 cw(c637.8,2310) 536.11,2211.26 ; 349.63,1249.39 cw(c0,673.09) 670.39,743.37 ; 350,1250 350,1575 ccw(c349.37,1722) 350.35,1869 ; 350.53,1868.82 ccw(c266.1,1951.7) 371.44,2005.58 ; 371.59,2005.72 cw(c470.03,2095.62) 536.17,2211.36
  text "X" at -198,1969 h30 r270
  text "X" at 170,1968 h30 r270
  text "X" at -326,1934 h30 r270
  text "X" at 298,1934 h30 r270

## Silkscreen, mask and mechanical layers (free items; w line width, h text height)
Bottom Overlay:
  drawing of 8 lines, arcs and shapes, not listed
  text "© Sanby 2017" at -575,466 h80 r270
  text "insect.trtos.com" at 210,374 h85 r270
  text "Designer By Sanby" at -493,364 h80 r270
  text "Geek-Insect V2.0" at 292,315 h100 r270